# Altium PCB CFD_V1.03.PcbDoc (part 3 of 10) (continued)
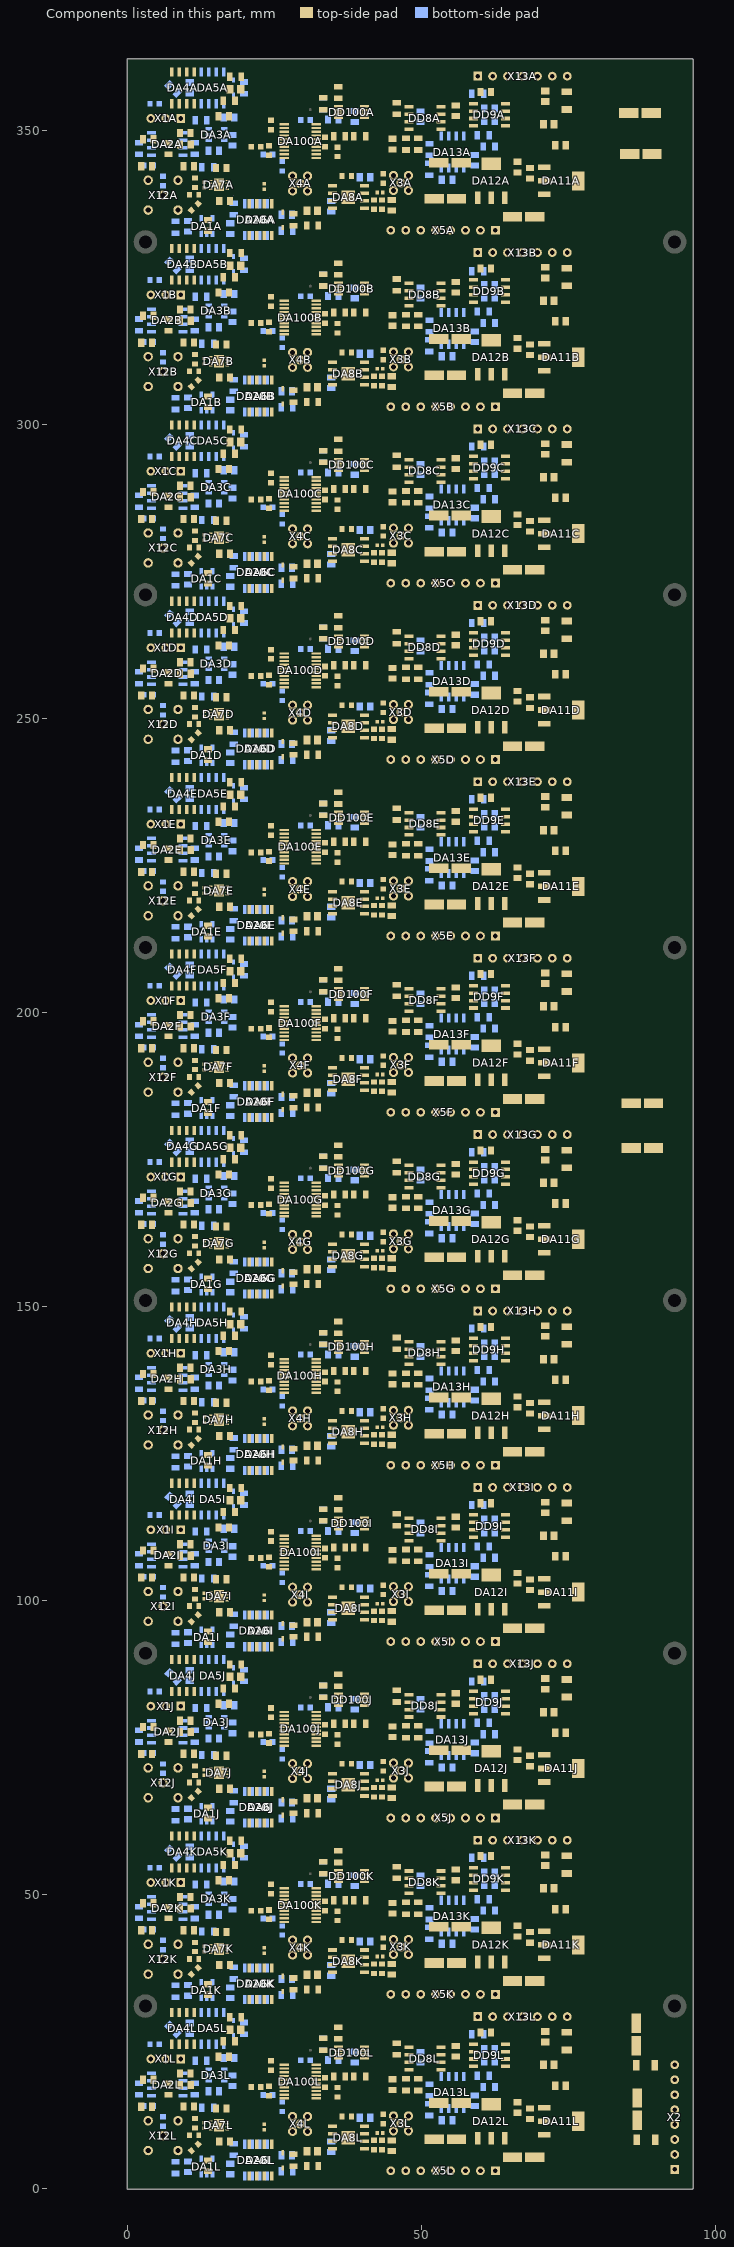
[diagram p7: the components of this part, seen from the top]
## Components (designator, comment, footprint, x,y, rotation, side; value= is the part's Value field where it differs from the comment) (continued)
X12B "LEMO 00" LEMO_EPL.00.250.NTN 6,308.96 r180 top (schematic designator X12)
X12C "LEMO 00" LEMO_EPL.00.250.NTN 6,278.96 r180 top (schematic designator X12)
X12D "LEMO 00" LEMO_EPL.00.250.NTN 6,248.96 r180 top (schematic designator X12)
X12E "LEMO 00" LEMO_EPL.00.250.NTN 6,218.96 r180 top (schematic designator X12)
X12F "LEMO 00" LEMO_EPL.00.250.NTN 6,188.96 r180 top (schematic designator X12)
X12G "LEMO 00" LEMO_EPL.00.250.NTN 6,158.96 r180 top (schematic designator X12)
X12H "LEMO 00" LEMO_EPL.00.250.NTN 6,128.96 r180 top (schematic designator X12)
X12I "LEMO 00" LEMO_EPL.00.250.NTN 6,98.96 r180 top (schematic designator X12)
X12J "LEMO 00" LEMO_EPL.00.250.NTN 6,68.96 r180 top (schematic designator X12)
X12K "LEMO 00" LEMO_EPL.00.250.NTN 6,38.96 r180 top (schematic designator X12)
X12L "LEMO 00" LEMO_EPL.00.250.NTN 6,8.96 r180 top (schematic designator X12)
X13A "Socket 7" SAMTEC_CES-107-01-T-S 67.12,359.2 r0 bottom (schematic designator X13)
X13B "Socket 7" SAMTEC_CES-107-01-T-S 67.12,329.2 r0 bottom (schematic designator X13)
X13C "Socket 7" SAMTEC_CES-107-01-T-S 67.12,299.2 r0 bottom (schematic designator X13)
X13D "Socket 7" SAMTEC_CES-107-01-T-S 67.12,269.2 r0 bottom (schematic designator X13)
X13E "Socket 7" SAMTEC_CES-107-01-T-S 67.12,239.2 r0 bottom (schematic designator X13)
X13F "Socket 7" SAMTEC_CES-107-01-T-S 67.12,209.2 r0 bottom (schematic designator X13)
X13G "Socket 7" SAMTEC_CES-107-01-T-S 67.12,179.2 r0 bottom (schematic designator X13)
X13H "Socket 7" SAMTEC_CES-107-01-T-S 67.12,149.2 r0 bottom (schematic designator X13)
X13I "Socket 7" SAMTEC_CES-107-01-T-S 67.12,119.2 r0 bottom (schematic designator X13)
X13J "Socket 7" SAMTEC_CES-107-01-T-S 67.12,89.2 r0 bottom (schematic designator X13)
X13K "Socket 7" SAMTEC_CES-107-01-T-S 67.12,59.2 r0 bottom (schematic designator X13)
X13L "Socket 7" SAMTEC_CES-107-01-T-S 67.12,29.2 r0 bottom (schematic designator X13)

## Footprints (in the part's own frame and the unit in brackets; to place one, negate y for a bottom-side part, rotate by r counter-clockwise, add the part's x,y. Pads: shape width x height; smd on the part's side, far side on the other; paste and mask are expansions set on the pad)
CAPAE530X610N [mm] "Capacitor, Aluminium Electrolytric, 5.3mm L X 5.3mm W X 6.1mm H, IPC Medium Density"
  rect 3.3x1.65 smd: 1(-1.9,0) 2(1.9,0)
  silkscreen extent -3.4,-2.76 2.76,2.76, body extent -3.05,-2.76 3.05,2.76, height 6.3
CAPC1608X87N [mm] "Chip Capacitor, Body 1.6x0.8mm IPC Medium Density"
  rect 0.95x1 smd: 1(-0.8,0) 2(0.8,0)
  body extent -0.87,-0.47 0.88,0.48, height 0.87
CAPC2012X135N [mm] "Chip Capacitor, Body 2.0x1.25mm, IPC Medium Density"
  rect 1.05x1.4 smd: 1(-0.9,0) 2(0.9,0)
  silkscreen extent 0,-0.58 0,0.58, body extent -1.05,-0.67 1.05,0.68, height 1.25
CAPC2013X100N [mm] "Capacitor, Non-Polarized, Chip; 2.00mm L X 1.25mm W X 0.9mm H, IPC Medium Density"
  rect 1.15x1.45 smd: 1(-0.9,0) 2(0.9,0)
  silkscreen extent 0,-0.63 0,0.63, body extent -1.1,-0.72 1.1,0.73, height 1
CAPC2013X115N [mm] "Capacitor, Non-Polarized, Chip; 2.01mm L X 1.25mm W X 1.147mm H, IPC Medium Density"
  rect 1.2x1.45 smd: 1(-0.9,0) 2(0.9,0)
  body extent -1,-0.62 1.01,0.63, height 1.15
CAPC3216X180N [mm] "Chip Capacitor, Body 3.2x1.6mm, IPC Medium Density"
  rect 1.15x1.8 smd: 1(-1.5,0) 2(1.5,0)
  silkscreen extent -0.55,-0.8 0.55,0.8, body extent -1.7,-0.9 1.7,0.9, height 1.8
IND_MURATA_BLM31KN [mm] "Chip Ferrite Bead, 3.20mm L X 1.6mm W, BLM31KN Series"
  rect 1.15x1.8 smd: 1(-1.575,0) 2(1.575,0)
  silkscreen extent -0.65,-0.9 0.65,0.9, body extent -1.6,-0.8 1.6,0.8, height 1.6
INDC1608X75N [mm] "Chip Inductor, 2-Leads, EIA 0603, Metric 1608, Body 1.6x0.8mm, IPC Medium Density"
  rect 0.9x1 smd: 1(-0.8,0) 2(0.8,0)
  body extent -0.87,-0.47 0.88,0.48, height 0.7
INDC2012X105N [mm] "Chip Inductor, EIA 0805, Metric 2012, Body 2.0x1.25mm, IPC Medium Density"
  rect 1.15x1.45 smd: 1(-0.9,0) 2(0.9,0)
  silkscreen extent 0,-0.6 0,0.6, body extent -1.1,-0.7 1.1,0.7, height 1.1
LEMO_EPL.00.250.NTN [mm] "50 Ohm size 00 Coaxial Elbow (90°) socket"
  round 1.6 hole 0.9: 1(0,0) 2(-2.54,2.54) 2(-2.54,-2.54) 2(2.54,2.54) 2(2.54,-2.54)
  silkscreen extent -3.81,-3.81 13.97,3.81, body extent -3.5,-3.5 14,3.5, height 7
RESC1005X35N [mm] "Chip Resistor, EIA 0402, Metric 1005, Body 1.0x0.5mm, IPC Medium Density"
  rect 0.58x0.62 smd: 1(-0.47,0) 2(0.47,0)
  body extent -0.52,-0.27 0.53,0.28, height 0.35
RESC1005X40N [mm] "Chip Resistor, EIA 0402, Metric 1005, Body 1.0x0.5mm, IPC Medium Density"
  rect 0.58x0.62 smd: 1(-0.47,0) 2(0.47,0)
  body extent -0.52,-0.27 0.53,0.28, height 0.4
RESC1608X55N [mm] "Chip Resistor, EIA 0603, Metric 1608, Body 1.6x0.8mm, IPC Medium Density"
  rect 0.9x1 smd: 1(-0.8,0) 2(0.8,0)
  body extent -0.87,-0.47 0.88,0.48, height 0.55
RESC1608X64N [mm] "Chip Resistor, EIA 0603, Metric 1608, Body 1.6x0.8mm, IPC Medium Density"
  rect 0.85x1 smd: 1(-0.8,0) 2(0.8,0)
  body extent -0.87,-0.47 0.88,0.48, height 0.64
RESC2012X60N [mm] "Chip Resistor, EIA 0805, Metric 2012, Body 2.0x1.2mm, IPC Medium Density"
  rect 0.95x1.4 smd: 1(-1,0) 2(1,0)
  silkscreen extent 0,-0.55 0,0.55, body extent -1.1,-0.67 1.1,0.68, height 0.6
SAMTEC_CES-103-01-T-S [mm] "3 Contacts - Pitch 2.54mm - Single Row Through Mount Straigh Socket (Lead Length 3.25mm)"
  rect 1.5x1.5 hole 0.8: 1(0,0)
  round 1.5 hole 0.8: 2(2.54,0) 3(5.08,0)
  silkscreen extent -1.27,-1.52 6.35,2.21, body extent -1.27,-1.52 6.35,1.53, height 5.08
SAMTEC_CES-107-01-T-S [mm] "7 Contacts - Pitch 2.54mm - Single Row Through Mount Straigh Socket (Lead Length 3.25mm)"
  rect 1.5x1.5 hole 0.8: 1(-7.62,0)
  round 1.5 hole 0.8: 2(-5.08,0) 3(-2.54,0) 4(0,0) 5(2.54,0) 6(5.08,0) 7(7.62,0)
  silkscreen extent -8.89,-1.52 8.89,2.21, body extent -8.89,-1.52 8.89,1.52, height 5.08
SAMTEC_CES-108-01-T-S [mm] "8 Contacts - Pitch 2.54mm - Single Row Through Mount Straigh Socket (Lead Length 3.25mm)"
  rect 1.5x1.5 hole 0.8: 1(-8.89,0)
  round 1.5 hole 0.8: 2(-6.35,0) 3(-3.81,0) 4(-1.27,0) 5(1.27,0) 6(3.81,0) 7(6.35,0) 8(8.89,0)
  silkscreen extent -10.16,-1.52 10.16,2.22, body extent -10.16,-1.52 10.16,1.52, height 5.08
SAMTEC_MMCX-J-P-H-ST-TH1 [mm] "Straight Through-hole 50 Ohm Micro Mini RF Jack, MMCX Serie"
  round 1.55 hole 0.85: 1(0,0) 2(-1.27,-1.27) 2(-1.27,1.27) 2(1.27,-1.27) 2(1.27,1.27)
  silkscreen extent -1.75,-1.75 1.75,1.75, body extent -1.75,-1.75 1.75,1.75, height 4.35
SOD2512X110N [mm] "Small Outline Diode (SOD-323), 1.70mm W X 1.25mm L X 1.10mm H body,  IPC Medium Density"
  rect 0.9x0.5 smd: 1(-1.3,0) 2(1.3,0)
  silkscreen extent -1.62,-0.65 0.85,0.88, body extent -1.35,-0.67 1.35,0.68, height 1.1
SOIC127P600X175-8N [mm] "SOIC 8, Pitch 1.27mm - Body 4x5mm, IPC Medium Density"
  rect 1.55x0.6 smd: 1(-2.7,1.905) 2(-2.7,0.635) 3(-2.7,-0.635) 4(-2.7,-1.905) 5(2.7,-1.905) 6(2.7,-0.635) 7(2.7,0.635) 8(2.7,1.905)
  silkscreen extent -2.52,-2.5 1.55,2.88, body extent -3.1,-2.5 3.1,2.5, height 1.75
SOIC127P600X175-9N-S229 [mm] "SOIC 8, 1.27mm Pitch; 8 pin, 3.90mm W X 4.90mm L X 1.75mm H body, (w/thermal tab 2.29mm X 2.29mm), IPC Medium Density"
  rect 1.55x0.6 smd: 1(-2.7,1.905) 2(-2.7,0.635) 3(-2.7,-0.635) 4(-2.7,-1.905) 5(2.7,-1.905) 6(2.7,-0.635) 7(2.7,0.635) 8(2.7,1.905)
  rect 2.29x2.29 smd: 9(0,0)
  silkscreen extent -3.33,-2.45 1.55,2.87, body extent -3.1,-2.5 3.1,2.5, height 1.75
SOP63P600X175-20AN [mm] "SOP, 0.635mm Pitch; 20 Pin, 3.90mm W X 8.65mm L X 1.75mm H Body, IPC Medium Density"
  rect 1.6x0.4 smd: 1(-2.7,2.857) 2(-2.7,2.222) 3(-2.7,1.587) 4(-2.7,0.953) 5(-2.7,0.318) 6(-2.7,-0.318) 7(-2.7,-0.953) 8(-2.7,-1.587) 9(-2.7,-2.222) 10(-2.7,-2.857) 11(2.7,-2.857) 12(2.7,-2.222) 13(2.7,-1.587) 14(2.7,-0.953) 15(2.7,-0.318) 16(2.7,0.318) 17(2.7,0.953) 18(2.7,1.587) 19(2.7,2.222) 20(2.7,2.857)
  silkscreen extent -3.37,-4.35 1.58,4.35, body extent -3.13,-4.37 3.13,4.37, height 1.75
SOP65P490X110-8N [mm] "SOP, 0.65mm pitch; 8 pin, 3.00mm W X 3.00mm L X 1.10mm H body, IPC Medium Density"
  rect 1.5x0.45 smd: 1(-2.2,0.975) 2(-2.2,0.325) 3(-2.2,-0.325) 4(-2.2,-0.975) 5(2.2,-0.975) 6(2.2,-0.325) 7(2.2,0.325) 8(2.2,0.975)
  silkscreen extent -3.53,-1.5 1.12,1.5, body extent -2.45,-1.55 2.45,1.55, height 1.1
SOT95P280X145-5N [mm] "SOT, 0.95mm pitch; 5 pin, 1.60mm W X 2.90mm L X 1.45mm H body, IPC Medium Density"
  rect 1.1x0.6 smd: 1(-1.3,0.95) 2(-1.3,0) 3(-1.3,-0.95) 4(1.3,-0.95) 5(1.3,0.95)
  silkscreen extent -1.72,-1.45 0.43,1.88, body extent -1.4,-1.5 1.4,1.5, height 1.45
SOT230P700X180-4N [mm] "SOT223, 2.30mm pitch; 3 pin, 3.70mm W X 6.70mm L, IPC Medium Density"
  rect 2.15x0.95 smd: 1(-2.9,2.3) 2(-2.9,0) 3(-2.9,-2.3)
  rect 2.15x3.25 smd: 4(2.9,0)
  silkscreen extent -3.87,-3.35 1.45,3.47, body extent -3.65,-3.35 3.65,3.35, height 1.81
TEXAS_NGQ0008A [mm] "TEXAS Case Style NGQ(WSON-N9), SON, 0.50mm Pitch, Square; 8 Pin, 3.00mm L X 3.00mm W X 0.80mm H body (w/Thermal Tab 1.70 X 2.10mm)"
  rect 0.6x0.25 smd: 1(-1.4,0.75) 2(-1.4,0.25) 3(-1.4,-0.25) 4(-1.4,-0.75) 5(1.4,-0.75) 6(1.4,-0.25) 7(1.4,0.25) 8(1.4,0.75)
  rect 1.7x2.1 smd: 9(0,0)
  silkscreen extent -2.1,-1.5 1.5,1.5, body extent -1.5,-1.5 1.5,1.5, height 0.8

## Part data
C1A C1B C1C C1D C1E C1F C1G C1H C1I C1J C1K C1L C3A C3B C3C C3D C3E C3F C3G C3H C3I C3J C3K C3L C8A C8B C8C C8D C8E C8F C8G C8H C8I C8J C8K C8L C10A C10B C10C C10D C10E C10F C10G C10H C10I C10J C10K C10L C11A C11B C11C C11D C11E C11F C11G C11H C11I C11J C11K C11L C12A C12B C12C C12D C12E C12F C12G C12H C12I C12J C12K C12L C24A C24B C24C C24D C24E C24F C24G C24H C24I C24J C24K C24L C26A C26B C26C C26D C26E C26F C26G C26H C26I C26J C26K C26L C29A C29B C29C C29D C29E C29F C29G C29H C29I C29J C29K C29L C30A C30B C30C C30D C30E C30F C30G C30H C30I C30J C30K C30L C37A C37B C37C C37D C37E C37F C37G C37H C37I C37J C37K C37L C38A C38B C38C C38D C38E C38F C38G C38H C38I C38J C38K C38L C41A C41B C41C C41D C41E C41F C41G C41H C41I C41J C41K C41L C43A C43B C43C C43D C43E C43F C43G C43H C43I C43J C43K C43L C71A C71B C71C C71D C71E C71F C71G C71H C71I C71J C71K C71L C73A C73B C73C C73D C73E C73F C73G C73H C73I C73J C73K C73L C129A C129B C129C C129D C129E C129F C129G C129H C129I C129J C129K C129L C145A C145B C145C C145D C145E C145F C145G C145H C145I C145J C145K C145L C303A C303B C303C C303D C303E C303F C303G C303H C303I C303J C303K C303L C400A C400B C400C C400D C400E C400F C400G C400H C400I C400J C400K C400L C401A C401B C401C C401D C401E C401F C401G C401H C401I C401J C401K C401L: library part CC0805_220NF_50V_10%_X7R, "Non-polarised capacitor", Case=0805, Manufacturer=GENERIC, Manufacturer1 ComponentHeight=1.35mm, Manufacturer1 Example=MURATA, Manufacturer1 Part Number=GRM21BR71H224KA01L, Tolerance=±10%, Voltage=50V, Author="CERN DEM JLC", Component Type=Standard, CreateDate=03.12.2007, HelpURL=\\cern.ch\dfs\Applications\Altium\Datasheets\CC0805_X7R_MURATA.pdf, LatestRevisionDate=03.12.2007, Manufacturer Part Number=CC0805_220NF_50V_10%_X7R, Mounted=Yes, Part Description="SMD Multilayer Chip Ceramic Capacitor", Part Number=CC0805_220NF_50V_10%_X7R, Pin Count=2, Sense=No, SMD=Yes, Socket=No, Status=Preferred, TC=X7R
C2A C2B C2C C2D C2E C2F C2G C2H C2I C2J C2K C2L C14A C14B C14C C14D C14E C14F C14G C14H C14I C14J C14K C14L: library part CC0805_10NF_50V_2%_C0G, "Non-polarised capacitor", Case=0805, Manufacturer=GENERIC, Manufacturer1 ComponentHeight=1.35mm, Manufacturer1 Example="Walsin Technology Corporation", Manufacturer1 Part Number=0805N103G500CT, Tolerance=±2%, Voltage=50V, Author="CERN DEM HF", Component Type=Standard, CreateDate=15.04.2024, HelpURL=\\cern.ch\dfs\Applications\Altium\Datasheets\CC0805_C0G_Walsin.pdf, LatestRevisionDate=15.04.2024, Manufacturer Part Number=CC0805_10NF_50V_2%_C0G, Mounted=Yes, Part Description="SMD Multilayer Chip Ceramic Capacitor", Part Number=CC0805_10NF_50V_2%_C0G, Pin Count=2, Sense=No, SMD=Yes, Socket=No, Status=None, TC=C0G/NP0
C4A C4B C4C C4D C4E C4F C4G C4H C4I C4J C4K C4L C13A C13B C13C C13D C13E C13F C13G C13H C13I C13J C13K C13L: library part CC0805_33PF_200V_1%_NP0, "Non-polarised capacitor", Case=0805, Manufacturer=GENERIC, Manufacturer1 ComponentHeight=1.15mm, Manufacturer1 Example=AVX, Manufacturer1 Part Number=KGQ21HCG2D330FT, Tolerance=±1%, Voltage=200V, Author="CERN DEM HF", Component Type=Standard, CreateDate=15.04.2024, HelpURL=\\cern.ch\dfs\Applications\Altium\Datasheets\CC0805_NP0_AVX_KGQ.pdf, LatestRevisionDate=15.04.2024, Manufacturer Part Number=CC0805_33PF_200V_1%_NP0, Mounted=Yes, Part Description="SMD Multilayer Chip Ceramic Capacitor", Part Number=CC0805_33PF_200V_1%_NP0, Pin Count=2, Sense=No, SMD=Yes, Socket=No, Status=None, TC=C0G/NP0
C5A C5B C5C C5D C5E C5F C5G C5H C5I C5J C5K C5L: library part CC0805_1NF_25V_1%_C0G, "Non-polarised capacitor", Case=0805, Manufacturer=GENERIC, Manufacturer1 ComponentHeight=0.88mm, Manufacturer1 Example=KEMET, Manufacturer1 Part Number=C0805C102F3GACTU, Tolerance=±1%, Voltage=25V, Author="CERN DEM JLC", Component Type=Standard, CreateDate=11.03.2015, HelpURL="\\cern.ch\dfs\Applications\Altium\Datasheets\CC0805_C0G_KEMET_(Commercial Grade).pdf", LatestRevisionDate=11.03.2015, Manufacturer Part Number=CC0805_1NF_25V_1%_C0G, Mounted=Yes, Part Description="SMD Multilayer Chip Ceramic Capacitor", Part Number=CC0805_1NF_25V_1%_C0G, Pin Count=2, Sense=No, SMD=Yes, Socket=No, Status=None, TC=C0G/NP0
C6A C6B C6C C6D C6E C6F C6G C6H C6I C6J C6K C6L: library part CC0805_10NF_50V_5%_C0G, "Non-polarised capacitor", Case=0805, Manufacturer=GENERIC, Manufacturer1 ComponentHeight=0.88mm, Manufacturer1 Example=KEMET, Manufacturer1 Part Number=C0805C103J5GACTU, Tolerance=±5%, Voltage=50V, Author="CERN DEM JLC", Component Type=Standard, CreateDate=02.02.2011, HelpURL="\\cern.ch\dfs\Applications\Altium\Datasheets\CC0805_C0G_KEMET_(Commercial Grade).pdf", LatestRevisionDate=22.04.2015, Manufacturer Part Number=CC0805_10NF_50V_5%_C0G, Mounted=Yes, Part Description="SMD Multilayer Chip Ceramic Capacitor", Part Number=CC0805_10NF_50V_5%_C0G, Pin Count=2, Sense=No, SMD=Yes, Socket=No, Status=None, TC=C0G/NP0
C7A C7B C7C C7D C7E C7F C7G C7H C7I C7J C7K C7L C9A C9B C9C C9D C9E C9F C9G C9H C9I C9J C9K C9L: library part CC0805_4.7UF_16V_10%_X7R, "Non-polarised capacitor", Case=0805, Manufacturer=GENERIC, Manufacturer1 ComponentHeight=1.35mm, Manufacturer1 Example="TAIYO YUDEN", Manufacturer1 Part Number=EMK212B7475KG-T, Tolerance=±10%, Voltage=16V, Author="CERN DEM JLC", Component Type=Standard, CreateDate=16.09.2014, HelpURL=\\cern.ch\dfs\Applications\Altium\Datasheets\CC0805_X7R_TAIYO-YUDEN_HIGH-VALUE.pdf, LatestRevisionDate=16.09.2014, Manufacturer Part Number=CC0805_4.7UF_16V_10%_X7R, Mounted=Yes, Part Description="SMD Multilayer Chip Ceramic Capacitor", Part Number=CC0805_4.7UF_16V_10%_X7R, Pin Count=2, Sense=No, SMD=Yes, Socket=No, Status=Preferred, TC=X7R
C15A C15B C15C C15D C15E C15F C15G C15H C15I C15J C15K C15L: library part CC0805_4.7NF_250V_1%_NP0, "Non-polarised capacitor", Case=0805, Manufacturer=GENERIC, Manufacturer1 ComponentHeight=1.45mm, Manufacturer1 Example=MURATA, Manufacturer1 Part Number=GCM21B5C2E472FX01L, Manufacturer Part Number=CC0805_4.7NF_250V_1%_X7R, Tolerance=±1%, Voltage=250V, Author="CERN DEM HF", Component Type=Standard, CreateDate=15.04.2024, HelpURL=\\cern.ch\dfs\Applications\Altium\Datasheets\CC0805_MURATA_GCM21B5C2E472FX01L.pdf, LatestRevisionDate=15.04.2024, Mounted=Yes, Part Description="SMD Multilayer Chip Ceramic Capacitor", Part Number=CC0805_4.7NF_250V_1%_NP0, Pin Count=2, Sense=No, SMD=Yes, Socket=No, Status=None, TC=NP0
C16A C16B C16C C16D C16E C16F C16G C16H C16I C16J C16K C16L C17A C17B C17C C17D C17E C17F C17G C17H C17I C17J C17K C17L: library part CC0805_33PF_50V_5%_NP0, "Non-polarised capacitor", Case=0805, Manufacturer=GENERIC, Manufacturer1 ComponentHeight=1.35mm, Manufacturer1 Example=PHYCOMP, Manufacturer1 Part Number=223886115339, Tolerance=±5%, Voltage=50V, Author="CERN DEM JLC", Component Type=Standard, CreateDate=03.12.2007, HelpURL=\\cern.ch\dfs\Applications\Altium\Datasheets\CC0805_NP0_PHYCOMP.pdf, LatestRevisionDate=03.12.2007, Manufacturer Part Number=CC0805_33PF_50V_5%_NP0, Mounted=Yes, Part Description="SMD Multilayer Chip Ceramic Capacitor", Part Number=CC0805_33PF_50V_5%_NP0, Pin Count=2, Sense=No, SMD=Yes, Socket=No, Status=Preferred, TC=C0G/NP0
C20 C21 C34 C42A C42B C42C C42D C42E C42F C42G C42H C42I C42J C42K C42L C44 C45 C46 C135A C135B C135C C135D C135E C135F C135G C135H C135I C135J C135K C135L C146A C146B C146C C146D C146E C146F C146G C146H C146I C146J C146K C146L: library part CAE530-610_47UF_16V_20%, "Polarised capacitor", Case=C, Manufacturer=CHEMI-CON, Manufacturer Part Number=HHXD160ARA470ME61G, Tolerance=±20%, Voltage=16V, Author="CERN DEM HF", Component Type=Standard, ComponentHeight=6.1mm, CreateDate=15.04.2024, HelpURL=\\cern.ch\dfs\Applications\Altium\Datasheets\CAE_CHIMI-CON_HXD.pdf, LatestRevisionDate=15.04.2024, Mounted=Yes, Part Description="Conductive Polymer Hybrid Aluminum Electrolytic Capacitor", Part Number=CAE530-610_47UF_16V_20%, Pin Count=2, Sense=No, SMD=Yes, Socket=No, Status="Not Recommended"
C22A C22B C22C C22D C22E C22F C22G C22H C22I C22J C22K C22L: library part CC0805_15NF_50V_10%_X7R, "Non-polarised capacitor", Case=0805, Manufacturer=GENERIC, Manufacturer1 ComponentHeight=1.35mm, Manufacturer1 Example=PHYCOMP, Manufacturer1 Part Number=223858615638, Tolerance=±10%, Voltage=50V, Author="CERN DEM JLC", Component Type=Standard, CreateDate=03.12.2007, HelpURL=\\cern.ch\dfs\Applications\Altium\Datasheets\CC0805_X7R_PHYCOMP.pdf, LatestRevisionDate=03.12.2007, Manufacturer Part Number=CC0805_15NF_50V_10%_X7R, Mounted=Yes, Part Description="SMD Multilayer Chip Ceramic Capacitor", Part Number=CC0805_15NF_50V_10%_X7R, Pin Count=2, Sense=No, SMD=Yes, Socket=No, Status=Preferred, TC=X7R
C47A C47B C47C C47D C47E C47F C47G C47H C47I C47J C47K C47L: library part CC1206_4.7UF_25V_10%_X7R, "Non-polarised capacitor", Case=1206, Manufacturer=GENERIC, Manufacturer1 ComponentHeight=1.8mm, Manufacturer1 Example=KEMET, Manufacturer1 Part Number=C1206C475K3RAC, Tolerance=±10%, Voltage=25V, Author="CERN DEM WB", Component Type=Standard, CreateDate=25.07.2018, HelpURL=\\cern.ch\dfs\Applications\Altium\Datasheets\CC1206_X7R_KEMET.pdf, LatestRevisionDate=25.07.2018, Manufacturer Part Number=CC1206_4.7UF_25V_10%_X7R, Mounted=Yes, Part Description="SMD Multilayer Chip Ceramic Capacitor", Part Number=CC1206_4.7UF_25V_10%_X7R, Pin Count=2, Sense=No, SMD=Yes, Socket=No, Status=Preferred, TC=X7R
C300A C300B C300C C300D C300E C300F C300G C300H C300I C300J C300K C300L C301A C301B C301C C301D C301E C301F C301G C301H C301I C301J C301K C301L C302A C302B C302C C302D C302E C302F C302G C302H C302I C302J C302K C302L C402A C402B C402C C402D C402E C402F C402G C402H C402I C402J C402K C402L C403A C403B C403C C403D C403E C403F C403G C403H C403I C403J C403K C403L: library part CC0603_220NF_25V_10%_X7R, "Non-polarised capacitor", Case=0603, Manufacturer=GENERIC, Manufacturer1 ComponentHeight=0.87mm, Manufacturer1 Example=KEMET, Manufacturer1 Part Number=C0603C224K3RACTU, Tolerance=±10%, Voltage=25V, Author="CERN DEM JLC", Component Type=Standard, CreateDate=29.10.2014, HelpURL=\\cern.ch\dfs\Applications\Altium\Datasheets\CC0603_X7R_KEMET.pdf, LatestRevisionDate=29.10.2014, Manufacturer Part Number=CC0603_220NF_25V_10%_X7R, Mounted=Yes, Part Description="SMD Multilayer Chip Ceramic Capacitor", Part Number=CC0603_220NF_25V_10%_X7R, Pin Count=2, Sense=No, SMD=Yes, Socket=No, Status=Preferred, TC=X7R
DA1A DA1B DA1C DA1D DA1E DA1F DA1G DA1H DA1I DA1J DA1K DA1L: "200mA, Negative-Output, Low-Dropout Linear Regulator", Case=SOT23-5, Manufacturer=MAXIM, Manufacturer Part Number=MAX1735EUK30, Author="CERN DEM JLC", Bonding=No, Component Type=Standard, ComponentHeight=1.45mm, CreateDate=17.02.2010, Device=MAX1735EUK30+T, HelpURL=\\cern.ch\dfs\Applications\Altium\Datasheets\MAX1735EUK30+T.pdf, LatestRevisionDate=04.04.2022, Mounted=Yes, PackageDescription="SOT23, 0.95mm Pitch; 5 Pin, 1.60mm W X 2.90mm L X 1.45mm H body, IPC Medium Density", Part Description="3V, 200mA, Negative-Output, Low-Dropout Linear Regulator", Part Number=MAX1735EUK30+T, Pin Count=5, PressFit=No, Sense=No, SMD=Yes, Socket=No
DA2A DA2B DA2C DA2D DA2E DA2F DA2G DA2H DA2I DA2J DA2K DA2L: "Differential Amplifier", Case=SOIC8, Manufacturer="ANALOG DEVICES", Author="CERN DEM JLC", Bonding=No, Component Type=Standard, ComponentHeight=1.75mm, CreateDate=24.11.2008, Device=AD8138AR, HelpURL=\\cern.ch\dfs\Applications\Altium\Datasheets\AD8138AR.pdf, LatestRevisionDate=24.11.2008, Manufacturer Part Number=AD8138AR, Mounted=Yes, PackageDescription="SOIC 8, Pitch 1.27mm - Body 4x5mm, IPC Medium Density", Part Description="Low Distortion Differential ADC Driver", Part Number=AD8138AR, Pin Count=7, PressFit=No, Sense=No, SMD=Yes, Socket=No, Status="Not recommended"
DA3A DA3B DA3C DA3D DA3E DA3F DA3G DA3H DA3I DA3J DA3K DA3L: "150mA Low-Noise Low-Dropout Regulator Whit Shutdown", Case=SOT23-5, Manufacturer="TEXAS INSTRUMENTS", Author="CERN DEM HF", Bonding=No, Component Type=Standard, ComponentHeight=1.45mm, CreateDate=16.04.2024, Device=LP2985AIM5-2.5, HelpURL=\\cern.ch\dfs\Applications\Altium\Datasheets\LP2985AIM5.pdf, LatestRevisionDate=16.04.2024, Manufacturer Part Number=LP2985AIM5-2.5, Mounted=Yes, PackageDescription="SOT23, 0.95mm Pitch; 5 Pin, 1.60mm W X 2.90mm L X 1.45mm H body, IPC Medium Density", Part Description="2.5V, 150mA Low-Noise Low-Dropout Regulator Whit Shutdown", Part Number=LP2985AIM5-2.5, Pin Count=5, PressFit=No, Sense=No, SMD=Yes, Socket=No
DA4A DA4B DA4C DA4D DA4E DA4F DA4G DA4H DA4I DA4J DA4K DA4L DA20A DA20B DA20C DA20D DA20E DA20F DA20G DA20H DA20I DA20J DA20K DA20L: "Operational Amplifier", Case=SOIC8, Manufacturer="ANALOG DEVICES", Manufacturer Part Number=AD8671AR, Author="CERN DEM JLC", Bonding=No, Component Type=Standard, ComponentHeight=1.75mm, CreateDate=17.06.2014, Device=AD8671ARZ, HelpURL=\\cern.ch\dfs\Applications\Altium\Datasheets\AD8671ARZ.pdf, LatestRevisionDate=31.03.2022, Mounted=Yes, PackageDescription="SOIC 8, Pitch 1.27mm - Body 4x5mm, IPC Medium Density", Part Description="Precision, Very Low Noise, Low Input Bias Current Operational Amplifier", Part Number=AD8671ARZ, Pin Count=8, PressFit=No, Sense=No, SMD=Yes, Socket=No
DA5A DA5B DA5C DA5D DA5E DA5F DA5G DA5H DA5I DA5J DA5K DA5L DA6A DA6B DA6C DA6D DA6E DA6F DA6G DA6H DA6I DA6J DA6K DA6L: "Operational Amplifier", Case=SOIC8, Manufacturer="ANALOG DEVICES", Author="CERN DEM HF", Bonding=No, Component Type=Standard, ComponentHeight=1.75mm, CreateDate=15.04.2024, Device=AD8055AR, HelpURL=\\cern.ch\dfs\Applications\Altium\Datasheets\AD8055.pdf, LatestRevisionDate=15.04.2024, Manufacturer Part Number=AD8055AR, Mounted=Yes, PackageDescription="SOIC 8, Pitch 1.27mm - Body 4x5mm, IPC Medium Density", Part Description="Low Cost, 300 MHz Voltage Feedback Amplifier", Part Number=AD8055AR, Pin Count=8, PressFit=No, Sense=No, SMD=Yes, Socket=No
DA7A DA7B DA7C DA7D DA7E DA7F DA7G DA7H DA7I DA7J DA7K DA7L: "Ultra-Low Noise, High-Speed Operational Amplifier with Shutdown", Case=SON8, Manufacturer="TEXAS INSTRUMENTS", Author="CERN DEM HF", Bonding=No, Component Type=Standard, ComponentHeight=0.8mm, CreateDate=12.06.2023, Device=LMH6629SDE, HelpURL=\\cern.ch\dfs\Applications\Altium\Datasheets\LMH6629.pdf, LatestRevisionDate=12.06.2023, Manufacturer Part Number=LMH6629SDE, Mounted=Yes, PackageDescription="TEXAS Case Style NGQ(WSON-N9), SON, 0.50mm Pitch, Square; 8 Pin, 3.00mm L X 3.00mm W X 0.80mm H body (w/Thermal Tab 1.70 X 2.10mm)", Part Description="Ultra-Low Noise, High-Speed Operational Amplifier with Shutdown", Part Number=LMH6629SDE, Pin Count=9, PressFit=No, Sense=No, SMD=Yes, Socket=No
DA8A DA8B DA8C DA8D DA8E DA8F DA8G DA8H DA8I DA8J DA8K DA8L: "1.5 GHz Ultrahigh Speed Operational Amplifier", Case=SOIC8, Manufacturer="ANALOG DEVICES", Manufacturer Part Number=AD8000YRD, Author="CERN DEM JLC", Bonding=No, Component Type=Standard, ComponentHeight=1.75mm, CreateDate=14.05.2013, Device=AD8000YRDZ, HelpURL=\\cern.ch\dfs\Applications\Altium\Datasheets\AD8000YRDZ.pdf, LatestRevisionDate=29.03.2022, Mounted=Yes, PackageDescription="SOIC, 1.27mm Pitch; 8 Pin, 3.90mm W X 4.90mm L X 1.75mm H body (w/Thermal Tab 2.29 X 2.29mm), IPC Medium Density", Part Description="1.5 GHz Ultrahigh Speed Operational Amplifier", Part Number=AD8000YRDZ, Pin Count=9, PressFit=No, Sense=No, SMD=Yes, Socket=No
DA11A DA11B DA11C DA11D DA11E DA11F DA11G DA11H DA11I DA11J DA11K DA11L: "3-Terminal Regulator 1=IN 2=GND 3=OUT 4=GND", Case=SOT223, Manufacturer="LINEAR TECHNOLOGY", Author="CERN DEM HF", Bonding=No, Component Type=Standard, ComponentHeight=1.8mm, CreateDate=16.04.2024, Device=LT1129CST-5, HelpURL=\\cern.ch\dfs\Applications\Altium\Datasheets\LT1129.pdf, LatestRevisionDate=16.04.2024, Manufacturer Part Number=LT1129CST-5, Mounted=Yes, PackageDescription="SOT223, 2.30mm Pitch; 4 Pin, 3.70mm W X 6.70mm L X 1.80mm H body, IPC Medium Density", Part Description="5V, 700mA Micropower Low Dropout Regulator with Shutdown", Part Number=LT1129CST-5, Pin Count=4, PressFit=No, Sense=No, SMD=Yes, Socket=No
DA12A DA12B DA12C DA12D DA12E DA12F DA12G DA12H DA12I DA12J DA12K DA12L: "3-Terminal Regulator 1=OUT 2=IN 3=GND 4=IN", Case=SOT223, Manufacturer="LINEAR TECHNOLOGY", Author="CERN DEM HF", Bonding=No, Component Type=Standard, ComponentHeight=1.8mm, CreateDate=16.04.2024, Device=LT1175CST-5, HelpURL=\\cern.ch\dfs\Applications\Altium\Datasheets\LT1175.pdf, LatestRevisionDate=16.04.2024, Manufacturer Part Number=LT1175CST-5, Mounted=Yes, PackageDescription="SOT223, 2.30mm Pitch; 4 Pin, 3.70mm W X 6.70mm L X 1.80mm H body, IPC Medium Density", Part Description="5V 500mA Negative Low Dropout Micropower Regulator", Part Number=LT1175CST-5, Pin Count=4, PressFit=No, Sense=No, SMD=Yes, Socket=No
DA13A DA13B DA13C DA13D DA13E DA13F DA13G DA13H DA13I DA13J DA13K DA13L: "5V, 500mA Low-Dropout Negative Linear Regulator", Case=SOIC8, Manufacturer="TEXAS INSTRUMENTS", Author="CERN DEM BR", Bonding=No, Component Type=Standard, ComponentHeight=1.75mm, CreateDate=20.06.2019, Device=UCC284DP-ADJ, HelpURL=\\cern.ch\dfs\Applications\Altium\Datasheets\UCC284DP-ADJ.pdf, LatestRevisionDate=20.06.2019, Manufacturer Part Number=UCC284DP-ADJ, Mounted=Yes, PackageDescription="SOIC 8, Pitch 1.27mm, Body 4x5mm, IPC Medium Density", Part Description="5V, 500mA Low-Dropout Negative Linear Regulator, Adjustable Output", Part Number=UCC284DP-ADJ, Pin Count=8, PressFit=No, Sense=No, SMD=Yes, Socket=No
DA100A DA100B DA100C DA100D DA100E DA100F DA100G DA100H DA100I DA100J DA100K DA100L: "Dual, High Speed PECL Comparators", Case=SSOP20, Manufacturer="ANALOG DEVICES", Manufacturer Part Number=ADCMP562BRQ, Author="CERN DEM MR", Bonding=No, Component Type=Standard, ComponentHeight=1.75mm, CreateDate=15.02.2018, Device=ADCMP562BRQZ, HelpURL=\\cern.ch\dfs\Applications\Altium\Datasheets\ADCMP562BRQZ.pdf, LatestRevisionDate=31.03.2022, Mounted=Yes, PackageDescription="SOP, 0.635mm Pitch; 20 Pin, 3.90mm W X 8.65mm L X 1.75mm H Body, IPC Medium Density", Part Description="Dual High Speed PECL Comparators", Part Number=ADCMP562BRQZ, Pin Count=20, PressFit=No, Sense=No, SMD=Yes, Socket=No
DD8A DD8B DD8C DD8D DD8E DD8F DD8G DD8H DD8I DD8J DD8K DD8L: "3.3V/5V ECL D Flip-Flop with Reset and Differential Clock", Case=SOIC8, Manufacturer="ON SEMICONDUCTOR", Manufacturer Part Number=MC100EP51D, Author="CERN DEM JLC", Bonding=No, Component Type=Standard, ComponentHeight=1.75mm, CreateDate=27.02.2013, Device=MC100EP51DG, HelpURL=\\cern.ch\dfs\Applications\Altium\Datasheets\MC100EP51DG.pdf, LatestRevisionDate=25.05.2022, Mounted=Yes, PackageDescription="SOIC 8, Pitch 1.27mm - Body 4x5mm, IPC Medium Density", Part Description="3.3V/5V ECL D Flip-Flop with Reset and Differential Clock", Part Number=MC100EP51DG, Pin Count=8, PressFit=No, Sense=No, SMD=Yes, Socket=No
DD9A DD9B DD9C DD9D DD9E DD9F DD9G DD9H DD9I DD9J DD9K DD9L: "3.3V / 5V ECL Differential Receiver/Driver with High Gain", Case=SOIC8, Manufacturer="ON SEMICONDUCTOR", Author="CERN DEM HF", Bonding=No, Component Type=Standard, ComponentHeight=1.75mm, CreateDate=30.09.2024, Device=MC100EP16D, HelpURL=\\cern.ch\dfs\Applications\Altium\Datasheets\MC100EP16.pdf, LatestRevisionDate=30.09.2024, Manufacturer Part Number=MC100EP16D, Mounted=Yes, PackageDescription="SOIC 8, Pitch 1.27mm - Body 4x5mm, IPC Medium Density", Part Description="3.3V/5V ECL Differential Receiver/Driver", Part Number=MC100EP16D, Pin Count=8, PressFit=No, Sense=No, SMD=Yes, Socket=No
DD100A DD100B DD100C DD100D DD100E DD100F DD100G DD100H DD100I DD100J DD100K DD100L: library part MC10EP51DT, "3.3V/5V ECL D Flip-Flop with Reset and Differential Clock", Case=TSSOP, Manufacturer="ON SEMICONDUCTOR", Author="CERN DEM HF", Bonding=No, Component Type=Standard, ComponentHeight=1.1mm, CreateDate=01.10.2024, Device=MC10EP51D, HelpURL=\\cern.ch\dfs\Applications\Altium\Datasheets\MC10EP51.pdf, LatestRevisionDate=01.10.2024, Manufacturer Part Number=MC10EP51DT, Mounted=Yes, PackageDescription="SOP, 0.65mm pitch; 8 pin, 3.00mm W X 3.00mm L X 1.10mm H body, IPC Medium Density", Part Description="3.3V/5V ECL D Flip-Flop with Reset and Differential Clock", Part Number=MC10EP51DT, Pin Count=8, PressFit=No, Sense=No, SMD=Yes, Socket=No
L1A L1B L1C L1D L1E L1F L1G L1H L1I L1J L1K L1L L8A L8B L8C L8D L8E L8F L8G L8H L8I L8J L8K L8L L9A L9B L9C L9D L9E L9F L9G L9H L9I L9J L9K L9L: library part IND0805_TDK_MPZ2012S221A, Case=0805, Manufacturer=TDK, Manufacturer Part Number=MPZ2012S221A, Power=3A, Resistance=0.04R, Tolerance=±25%, Author="CERN DEM HF", Component Type=Standard, ComponentHeight=1.05mm, CreateDate=04.10.2021, HelpURL=\\cern.ch\dfs\Applications\Altium\Datasheets\IND0805_TDK_MPZ2012.pdf, LatestRevisionDate=04.10.2021, Mounted=Yes, Part Description="SMT Chip Bead for General Power Line (MPZ Series)", Part Number=IND0805_TDK_MPZ2012S221A, Pin Count=2, Sense=No, SMD=Yes, Socket=No
L2 L4: library part IND1206_MURATA_BLM31KN121SN1, Case=1206, Manufacturer=MURATA, Manufacturer Part Number=BLM31KN121SN1, Power=6A, Resistance=0.009R, Tolerance=±25%, Author="CERN DEM HF", Component Type=Standard, ComponentHeight=1.8mm, CreateDate=05.01.2022, HelpURL="\\cern.ch\dfs\Applications\Altium\Datasheets\IND1206_MURATA_ BLM31KN_SN.pdf", LatestRevisionDate=05.01.2022, Mounted=Yes, Part Description="SMD Chip Ferrite Bead, BLM31KN_SN Series", Part Number=IND1206_MURATA_BLM31KN121SN1, Pin Count=2, Sense=No, SMD=Yes, Socket=No
L300A L300B L300C L300D L300E L300F L300G L300H L300I L300J L300K L300L L301A L301B L301C L301D L301E L301F L301G L301H L301I L301J L301K L301L: library part IND0603_TDK_MPZ1608S101ATAH0, Case=0603, Manufacturer=TDK, Manufacturer Part Number=MPZ1608S101ATAH0, Power=3A, Resistance=0.03R, Tolerance=±25%, Author="CERN DEM JMW", Component Type=Standard, ComponentHeight=0.75mm, CreateDate=09.07.2015, HelpURL=\\cern.ch\dfs\Applications\Altium\Datasheets\IND0603_TDK_MPZ1608.pdf, LatestRevisionDate=25.10.2018, Mounted=Yes, Part Description="SMT Chip Bead for Power Line", Part Number=IND0603_TDK_MPZ1608S101ATAH0, Pin Count=2, Sense=No, SMD=Yes, Socket=No
R1A R1B R1C R1D R1E R1F R1G R1H R1I R1J R1K R1L R25A R25B R25C R25D R25E R25F R25G R25H R25I R25J R25K R25L: library part R0805_20R_1%_0.125W_100PPM, "Resistor - 1%", Case=0805, Manufacturer=GENERIC, Manufacturer1 ComponentHeight=0.6mm, Manufacturer1 Example="NIC COMPONENT", Manufacturer1 Part Number=NRC10F20R0TRF, Power=0.125W, Tolerance=±1%, Author="CERN DEM JLC", Component Type=Standard, CreateDate=03.12.2007, HelpURL=\\cern.ch\dfs\Applications\Altium\Datasheets\R0805_NIC_NRC.pdf, LatestRevisionDate=13.03.2008, Manufacturer Part Number=R0805_20R_1%_0.125W_100PPM, Mounted=Yes, Part Description="General Purpose Thick Film Chip Resistor", Part Number=R0805_20R_1%_0.125W_100PPM, Pin Count=2, PressFit=No, Sense=No, SMD=Yes, Socket=No, Status=Preferred, TC=±100ppm/°C
R2A R2B R2C R2D R2E R2F R2G R2H R2I R2J R2K R2L: library part R0603_36R_0.1%_0.1W_10PPM, "Resistor - 0.1%", Case=0603, Manufacturer=GENERIC, Manufacturer1 ComponentHeight=0.55mm, Manufacturer1 Example=YAGEO, Manufacturer1 Part Number=RT0603BRC0736RL, Power=0.1W, Tolerance=±0.1%, Author="CERN DEM HF", Component Type=Standard, CreateDate=25.04.2024, HelpURL=\\cern.ch\dfs\Applications\Altium\Datasheets\R0603_YAGEO_RT.pdf, LatestRevisionDate=25.04.2024, Manufacturer Part Number=R0603_36R_0.1%_0.1W_10PPM, Mounted=Yes, Part Description="Thin Film Chip Resistor", Part Number=R0603_36R_0.1%_0.1W_10PPM, Pin Count=2, PressFit=No, Sense=No, SMD=Yes, Socket=No, Status="Not Recommended", TC=±10ppm/°C
R3A R3B R3C R3D R3E R3F R3G R3H R3I R3J R3K R3L R7A R7B R7C R7D R7E R7F R7G R7H R7I R7J R7K R7L R300A R300B R300C R300D R300E R300F R300G R300H R300I R300J R300K R300L R301A R301B R301C R301D R301E R301F R301G R301H R301I R301J R301K R301L R302A R302B R302C R302D R302E R302F R302G R302H R302I R302J R302K R302L R303A R303B R303C R303D R303E R303F R303G R303H R303I R303J R303K R303L R400A R400B R400C R400D R400E R400F R400G R400H R400I R400J R400K R400L R403A R403B R403C R403D R403E R403F R403G R403H R403I R403J R403K R403L: library part R0805_51R_1%_0.125W_100PPM, "Resistor - 1%", Case=0805, Manufacturer=GENERIC, Manufacturer1 ComponentHeight=0.6mm, Manufacturer1 Example="NIC COMPONENT", Manufacturer1 Part Number=NRC10F51R0TRF, Power=0.125W, Tolerance=±1%, Author="CERN DEM JLC", Component Type=Standard, CreateDate=03.12.2007, HelpURL=\\cern.ch\dfs\Applications\Altium\Datasheets\R0805_NIC_NRC.pdf, LatestRevisionDate=13.03.2008, Manufacturer Part Number=R0805_51R_1%_0.125W_100PPM, Mounted=Yes, Part Description="General Purpose Thick Film Chip Resistor", Part Number=R0805_51R_1%_0.125W_100PPM, Pin Count=2, PressFit=No, Sense=No, SMD=Yes, Socket=No, Status=Preferred, TC=±100ppm/°C